# Allegro board RK_EVB1_RK3576_LP4XD200P132SD6_V12_20240530YWQ.brd (continued)
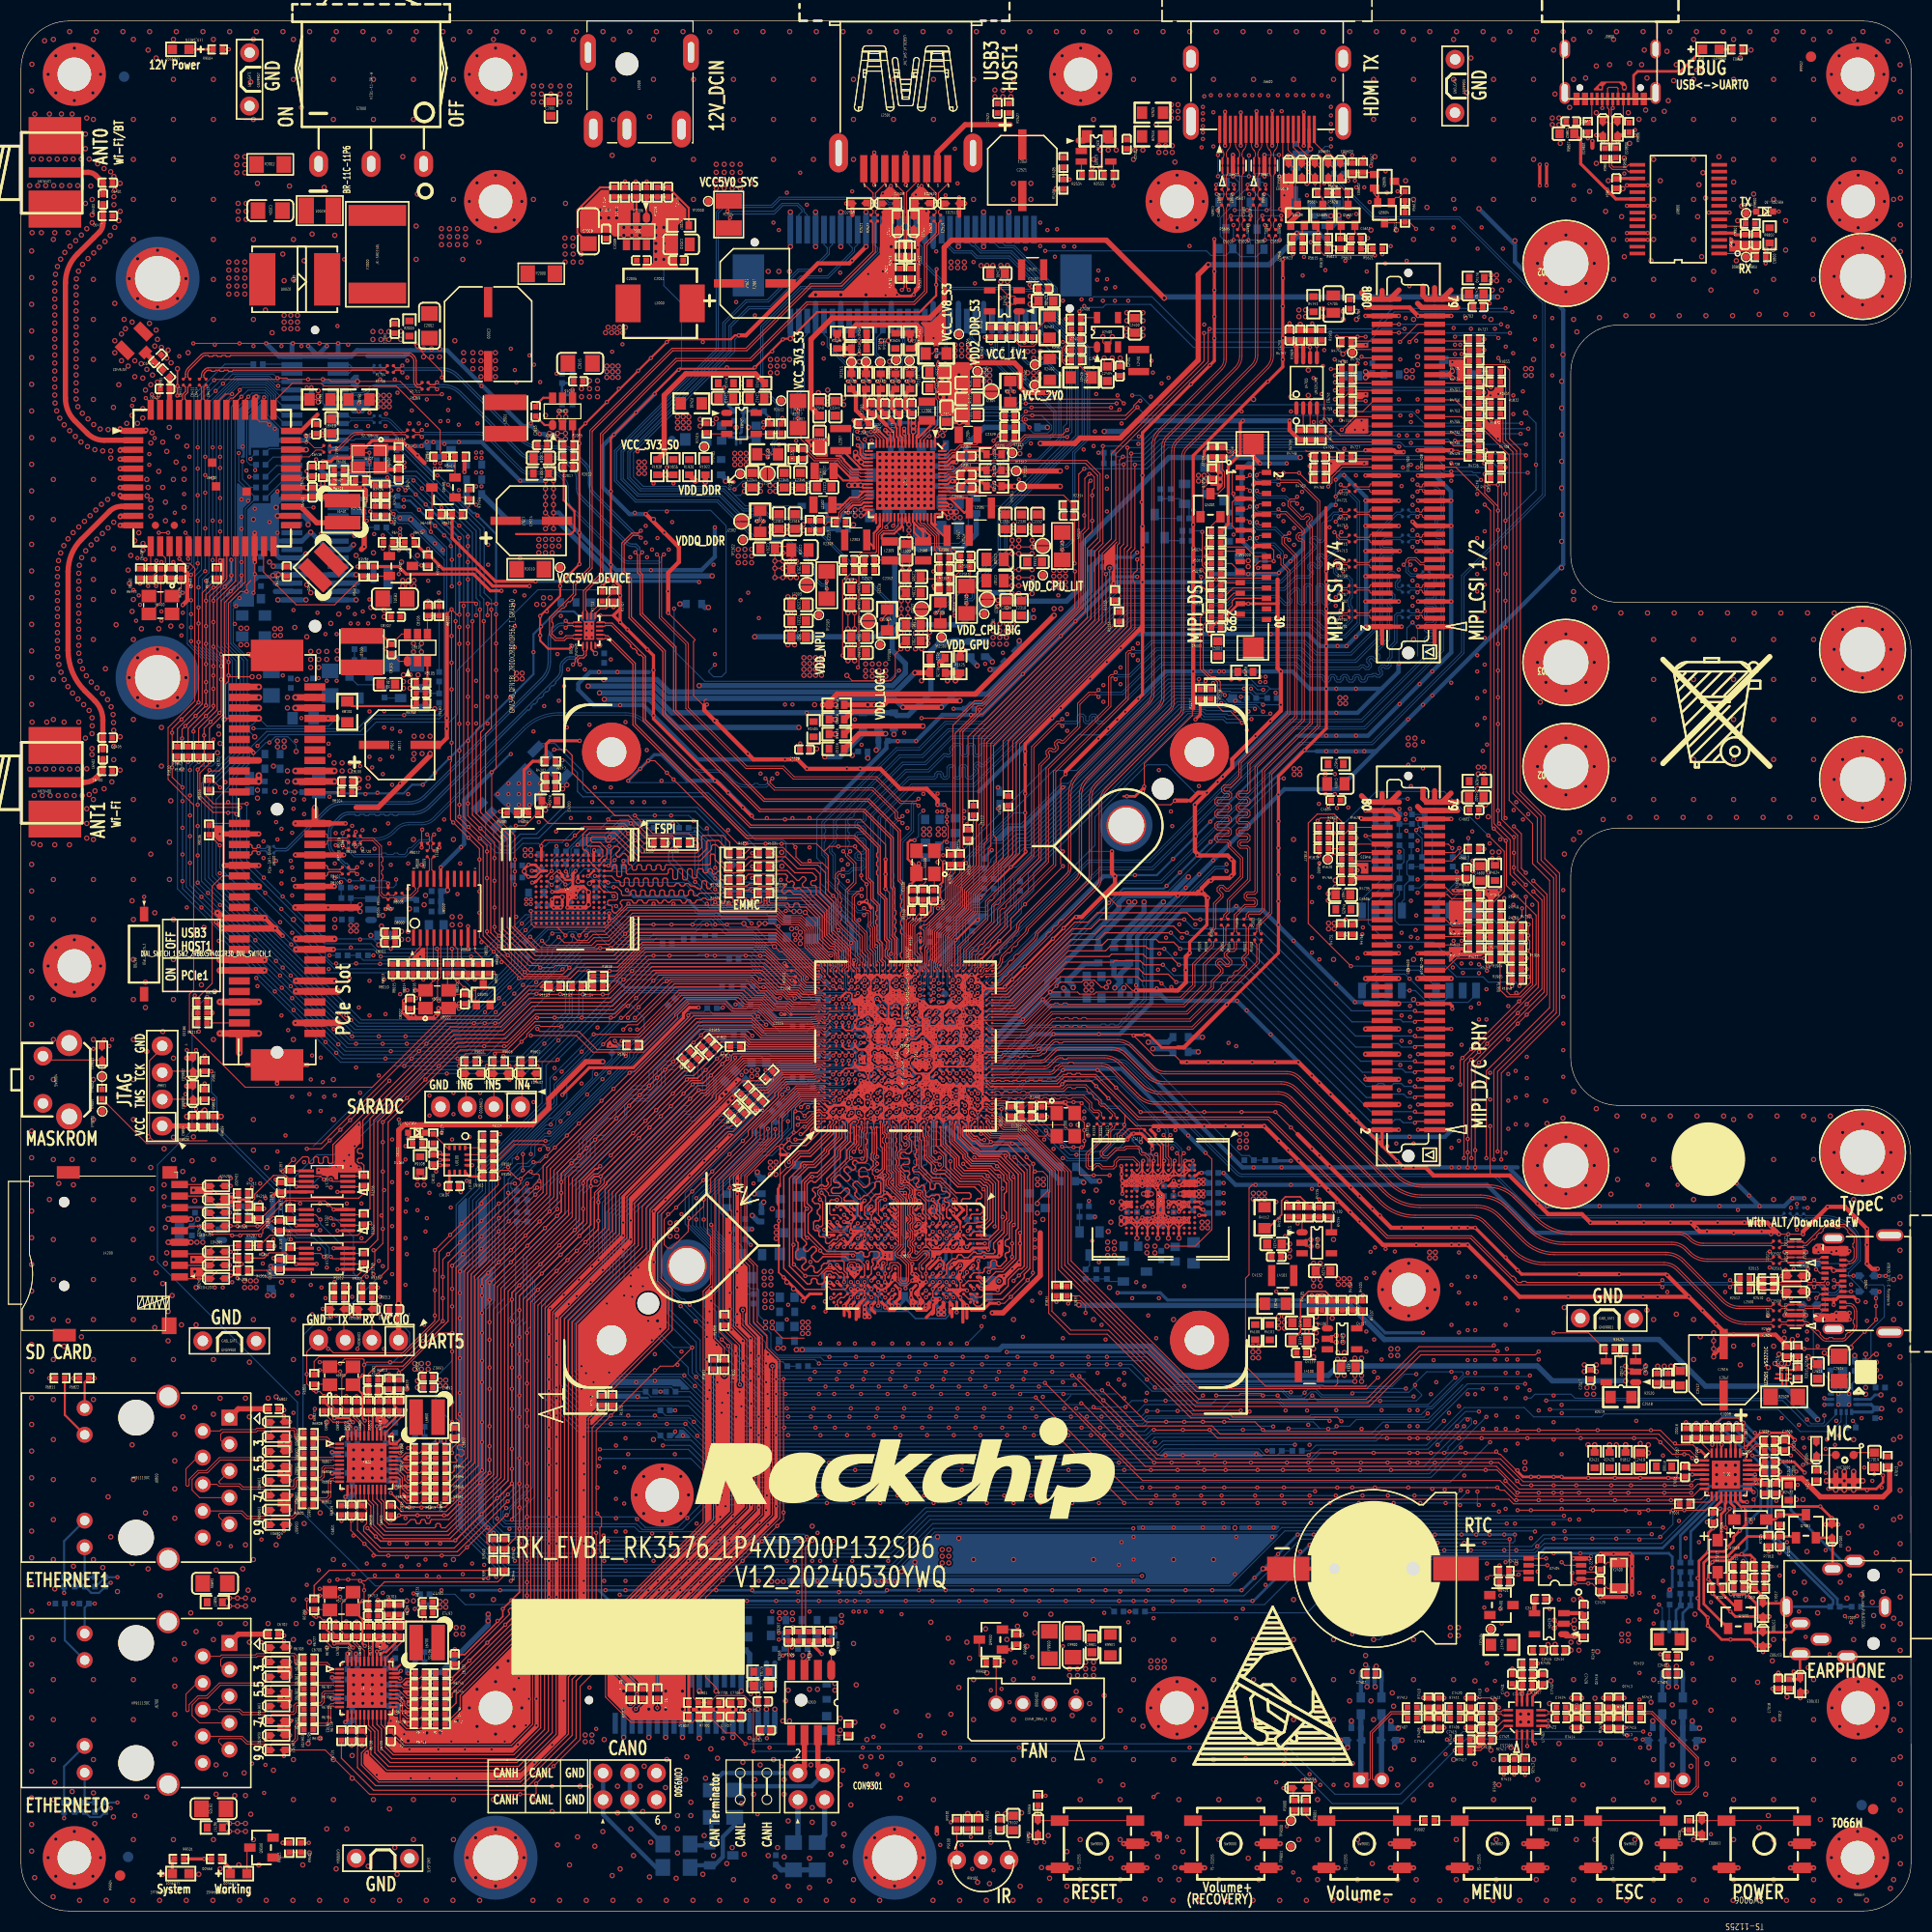
[diagram p0: board, top side]
## Routing (per net, layer and track width the routed paths; a pad name or vN(x,y) marks a point on that pad's centre or on a via; arc(x,y) is an arc through that point) (continued)
  BOTTOM w0.089: v1(80.06,96.66) 79.85,96.88 78.84,96.88 77.33,98.39 77.33,100.52 77,100.85 77,101.48 77.38,101.86 77.38,103.84 83.64,110.1 85.8,110.1 88.29,112.59 92.06,112.59 104.71,125.24 114.1,125.24 114.86,126 120.26,126 121.42,127.17 122.63,127.17 122.88,127.41 122.88,127.54 122.55,127.86 122.55,128.17 122.81,128.43 123.12,128.43 123.44,128.11 123.57,128.11 123.7,128.23 123.7,128.36 123.37,128.68 123.37,128.99 123.63,129.25 123.94,129.25 124.26,128.93 124.39,128.93 125.3,129.84 125.3,131.1 v1(125.09,131.31)
MIPI_DPHY_CSI3_RX_D2P/MIPI_DPHY_CSI4_RX_D0P: length 82.2
  TOP w0.089: U1000.K28 80.94,89.6 80.67,89.87 80.67,91.14 80.36,91.46 80.36,93.07 79.15,94.28 79.15,96.63 79.63,97.1 79.85,97.1 v1(80.06,97.32) ; v1(125.75,131.31) 125.53,131.1 125.53,130.97 125.67,130.83 126.3,130.83 R4715.2
  BOTTOM w0.089: v1(80.06,97.32) 79.85,97.1 78.93,97.1 77.55,98.48 77.55,100.61 77.23,100.94 77.23,101.39 77.61,101.77 77.61,102.09 77.74,102.22 77.74,102.5 77.61,102.64 77.61,102.92 77.74,103.05 77.74,103.33 77.61,103.47 77.61,103.74 83.74,109.87 85.89,109.87 88.39,112.37 92.15,112.37 104.8,125.02 114.19,125.02 114.95,125.78 120.35,125.78 121.51,126.94 122.72,126.94 123.1,127.32 123.1,127.63 122.78,127.95 122.78,128.08 122.9,128.21 123.03,128.21 123.35,127.88 123.66,127.88 123.92,128.14 123.92,128.45 123.6,128.77 123.6,128.9 123.72,129.02 123.85,129.02 124.17,128.7 124.48,128.7 125.53,129.75 125.53,131.1 v1(125.75,131.31)
MIPI_DPHY_CSI3_RX_D3N/MIPI_DPHY_CSI4_RX_D1N: length 81.4
  TOP w0.089: v1(125.68,132.79) 125.9,133 126.3,133 R4717.2 ; v1(80.29,95.51) 80.51,95.29 80.73,95.29 80.92,95.1 80.92,93.81 81.12,93.61 81.12,92.82 81.12,92.82 81.12,91.71 81.38,91.45 81.38,90.32 81.43,90.27 81.43,90.13 U1000.L29
  BOTTOM w0.089: v1(125.68,132.79) 125.46,133 125.1,133 124.9,132.81 124.9,132.62 124.7,132.42 124.51,132.42 124.12,132.02 124.12,130.56 123.88,130.33 123.57,130.33 123.22,130.68 123.09,130.68 122.97,130.56 122.97,130.43 123.32,130.07 123.32,129.76 120.03,126.47 114.5,126.47 113.74,125.71 104.52,125.71 91.87,113.06 88.1,113.06 85.6,110.57 83.45,110.57 76.49,103.61 76.49,103.15 76.63,103.02 76.63,102.74 76.49,102.61 76.49,102.33 76.63,102.19 76.63,101.91 76.49,101.78 76.49,100.66 76.86,100.29 76.86,98.19 79.18,95.88 79.37,95.88 79.56,95.68 79.56,95.49 79.76,95.29 80.07,95.29 v1(80.29,95.51)
MIPI_DPHY_CSI3_RX_D3P/MIPI_DPHY_CSI4_RX_D1P: length 81.9
  TOP w0.089: v1(125.68,133.44) 125.9,133.23 126.3,133.23 R4719.2 ; v1(80.29,94.85) 80.51,95.07 80.64,95.07 80.7,95 80.7,93.72 80.9,93.52 80.9,92.86 80.9,92.86 80.9,91.62 81.16,91.36 81.16,90.23 81.21,90.18 81.21,89.97 81.49,89.69 U1000.L28
  BOTTOM w0.089: v1(125.68,133.44) 125.46,133.23 125.01,133.23 123.9,132.12 123.9,130.65 123.79,130.55 123.67,130.55 123.31,130.9 123,130.9 122.74,130.65 122.74,130.34 123.1,129.98 123.1,129.86 119.94,126.7 114.41,126.7 113.65,125.93 104.42,125.93 91.77,113.29 88.01,113.29 85.51,110.79 83.36,110.79 76.27,103.71 76.27,100.56 76.64,100.2 76.64,98.1 79.67,95.07 80.07,95.07 v1(80.29,94.85)
MIPI_DPHY_CSI4_CAM_CLKOUT: length 65.2
  TOP w0.102: R1905.2 v1(143.41,90.73) ; R4760.1 v1(122.78,136.91)
  L4-SIG w0.102: v1(139.05,136.29) 139.04,136.28 139.04,111.17 139.94,110.27 139.94,105.02 141.77,103.18 141.77,95.51 142.7,94.58 142.7,91.44 v1(143.41,90.73)
  BOTTOM w0.102: v1(122.78,136.91) 122.98,137.11 135.17,137.11 135.52,136.75 138.58,136.75 v1(139.05,136.29)
MIPI_DPHY_CSI4_CAM_CLKOUT_CON: length 3.7
  TOP w0.102: R4727.2 C4709.1 R4762.1 R4760.2
MIPI_DPHY_CSI4_PDN_H: length 103.2
  TOP w0.102: R4733.2 v1(125.14,142.79)
  L4-SIG w0.102: v1(125.14,142.79) 125.14,137.36 123.87,136.09 123.87,132.1 123.55,131.79 123.55,127.03 123.81,126.77 123.81,106.15 122.54,104.88 122.54,68.52 122.81,68.26 122.81,67.2 118.66,63.04 118.66,43.85 v1(118.65,43.85)
  BOTTOM w0.102: v1(118.65,43.85) 118.68,43.82 R1945.2
MIPI_DPHY_CSI4_PWM: length 125.1
  TOP w0.102: R1835.2 100.81,58.59 111.72,47.67 v1(116.17,47.67) ; R4764.1 v1(124.75,146.86)
  L4-SIG w0.102: v1(116.17,47.67) 116.17,57.27 118.02,59.13 118.02,63.24 122.06,67.27 122.06,104.97 123.41,106.32 123.41,126.61 123.15,126.87 123.15,137.02 124.4,138.28 124.4,146.5 v1(124.75,146.86)
MIPI_DPHY_CSI4_RX_CLKN: length 86.2
  TOP w0.089: v1(125.68,135.19) 125.9,135.4 126.3,135.4 R4721.2 ; U1000.1K23 v1(82.14,88.07)
  BOTTOM w0.089: v1(125.68,135.19) 125.9,135.4 126.01,135.4 127.26,134.16 127.26,122.69 126.05,121.48 123.89,121.48 122.91,122.47 105.86,122.47 90.72,107.32 84.79,107.32 81.63,104.16 81.63,93.87 81.5,93.74 81.5,93.46 81.63,93.32 81.63,93.04 81.5,92.91 81.5,92.63 81.63,92.49 81.63,92.28 82.11,91.8 82.11,90.85 81.98,90.72 81.98,90.44 82.11,90.3 82.11,90.02 81.98,89.89 81.98,89.61 82.11,89.47 82.11,89.19 82.39,88.92 82.39,88.32 v1(82.14,88.07)
MIPI_DPHY_CSI4_RX_CLKP: length 86.8
  TOP w0.089: v1(125.68,135.84) 125.9,135.63 126.3,135.63 R4723.2 ; U1000.1K22 v1(82.14,87.47)
  BOTTOM w0.089: v1(125.68,135.84) 125.9,135.63 126.11,135.63 127.48,134.25 127.48,122.59 126.15,121.26 123.8,121.26 122.81,122.24 105.95,122.24 90.81,107.1 84.89,107.1 81.86,104.07 81.86,92.37 82.34,91.89 82.34,89.29 82.62,89.01 82.62,88.23 82.48,88.09 82.48,87.81 v1(82.14,87.47)
MIPI_DPHY_DSI_TX_CLKN: length 31.6
  TOP w0.089: U1000.AK17 92.22,83.19 96,83.19 98.24,85.43 111.09,85.43 113.58,87.92 113.58,88.46 114.47,89.35 114.47,89.71 114,90.19 114,90.31 114.12,90.44 114.25,90.44 114.74,89.94 115.06,89.94 115.31,90.2 115.31,90.51 114.81,91.01 114.81,91.13 115.07,91.38 115.54,91.38 115.76,91.6 115.76,92.07 115.76,92.3 R5004.2
MIPI_DPHY_DSI_TX_CLKP: length 30.6
  TOP w0.089: R5005.1 115.54,92.3 115.54,92.07 115.54,91.7 115.45,91.61 114.97,91.61 114.59,91.22 114.59,90.91 115.09,90.42 115.09,90.29 114.96,90.16 114.84,90.16 114.34,90.66 114.03,90.66 113.77,90.41 113.77,90.09 114.24,89.62 114.24,89.44 113.36,88.56 113.36,88.01 111,85.65 98.14,85.65 95.91,83.42 92.54,83.42 U1000.AL17
MIPI_DPHY_DSI_TX_D0N: length 31.8
  TOP w0.089: R5000.2 118.13,92.28 117.92,92.07 117.92,91.94 117.92,90.3 111.61,83.99 98.31,83.99 96.46,82.14 92.65,82.14 92.6,82.09 92.22,82.09 U1000.AK15
MIPI_DPHY_DSI_TX_D0P: length 31.2
  TOP w0.089: U1000.AL15 96.37,82.37 98.21,84.21 98.49,84.21 98.63,84.34 98.91,84.34 99.04,84.21 99.32,84.21 99.46,84.34 99.74,84.34 99.87,84.21 100.15,84.21 100.28,84.34 100.56,84.34 100.7,84.21 100.98,84.21 101.11,84.34 101.39,84.34 101.53,84.21 111.52,84.21 117.7,90.39 117.7,91.94 117.7,92.07 117.49,92.28 R5001.1
MIPI_DPHY_DSI_TX_D1N: length 32.1
  TOP w0.089: R5002.1 116.9,93.69 116.9,93.34 116.9,91.13 116.5,90.72 116.5,90.6 116.71,90.38 116.71,90.07 111.38,84.73 98.29,84.73 96.2,82.64 92.22,82.64 U1000.AK16
MIPI_DPHY_DSI_TX_D1P: length 31.9
  TOP w0.089: U1000.AL16 92.54,82.87 96.11,82.87 98.2,84.96 98.48,84.96 98.61,85.09 98.89,85.09 99.03,84.96 99.31,84.96 99.44,85.09 99.72,85.09 99.86,84.96 100.14,84.96 100.27,85.09 100.55,85.09 100.68,84.96 100.96,84.96 101.1,85.09 101.38,85.09 101.51,84.96 111.28,84.96 114.31,87.98 114.31,88.17 114.51,88.37 114.7,88.37 114.89,88.57 114.89,88.76 115.09,88.95 115.28,88.95 115.48,89.15 115.48,89.34 115.68,89.54 115.87,89.54 116.49,90.16 116.49,90.29 116.27,90.5 116.27,90.81 116.68,91.22 116.68,93.34 116.68,93.69 R5003.2
MIPI_DPHY_DSI_TX_D2N: length 29.5
  TOP w0.089: R5006.1 114.75,93.69 114.75,93.34 114.75,92.04 112.82,90.11 112.82,88.13 110.8,86.12 98.16,86.12 95.78,83.74 92.22,83.74 U1000.AK18
MIPI_DPHY_DSI_TX_D2P: length 28.7
  TOP w0.089: U1000.AL18 92.54,83.97 95.68,83.97 98.06,86.34 98.34,86.34 98.48,86.48 98.76,86.48 98.89,86.34 99.17,86.34 99.3,86.48 99.58,86.48 99.72,86.34 110.71,86.34 112.59,88.23 112.59,90.21 114.52,92.14 114.52,93.34 114.52,93.69 R5007.2
MIPI_DPHY_DSI_TX_D3N: length 26.8
  TOP w0.089: U1000.AK19 92.22,84.29 95.58,84.29 98.1,86.81 110.52,86.81 111.8,88.1 111.8,90.11 113.6,91.92 113.6,92.3 R5008.2
MIPI_DPHY_DSI_TX_D3P: length 25.8
  TOP w0.089: U1000.AL19 92.54,84.52 95.49,84.52 98.01,87.04 110.42,87.04 111.58,88.19 111.58,90.21 113.38,92.01 113.38,92.3 R5009.1
MIPI_DPHY_FSYNC: length 65.3
  TOP w0.102: R4753.1 v1(139.35,144.61) ; R4759.1 v1(125.14,144.83) ; v1(139.35,96.36) 138.83,95.84 R4614.1
  L4-SIG w0.102: v1(139.35,96.36) 139.01,96.7 139.01,103.36 138.32,104.04 138.32,136.83 138.93,137.44 138.93,144.19 v1(139.35,144.61)
  BOTTOM w0.102: v1(139.35,144.61) 139.13,144.83 v1(125.14,144.83)
MIPI_DPHY_HSYNC: length 65.3
  TOP w0.102: v1(125.14,145.59) 125.39,145.84 R4763.1 ; v1(138.65,97.35) 138.65,97.01 R4616.1 ; v1(139.33,145.27) 138.98,145.63 R4756.1
  L4-SIG w0.102: v1(139.33,145.27) 138.57,144.5 138.57,137.71 137.96,137.1 137.96,103.96 138.72,103.2 138.72,97.42 v1(138.65,97.35)
  BOTTOM w0.102: v1(125.14,145.59) 125.62,145.11 139.17,145.11 v1(139.33,145.27)
MIPI_TE: length 2.8
  TOP w0.102: R5011.2 R5024.2 113.36,131.92 Q5001.2
MIPI_TE_M1_GPIO3_A2: length 77.9
  TOP w0.102: v1(115.66,139.01) 115.13,138.48 R5021.2 114.4,137.3 114.62,137.08 114.62,135.6 114,134.99 Q5001.3 ; v1(143.34,92.19) 142.9,91.75 R1904.2
  L4-SIG w0.102: v1(139.75,135.33) 139.75,111.46 140.34,110.87 140.34,105.64 142.58,103.4 142.58,95.27 143.17,94.69 143.17,92.36 v1(143.34,92.19)
  BOTTOM w0.102: v1(115.66,139.01) 124.25,139.01 125.01,138.25 134.91,138.25 135.67,137.49 139.35,137.49 139.75,137.09 v1(139.75,135.33)
NPOR: length 12.3
  TOP w0.089: 85.81,90.46 85.8,90.45 85.8,89.61 U1000.W28
  TOP w0.102: R1106.1 89.43,98.88 88.45,97.91 88.45,96.15 86.23,93.92 85.92,93.92 R1107.1 86.01,93.32 86.01,92.06 C1119.1 85.66,91.36 85.81,91.21 85.81,90.46
OSC_1V8: length 40.2
  TOP w0.229: v1(85.21,85) 85.22,85 85.22,84.97 U1000.2J10
  TOP w0.508: R1124.2 87.53,118.84 v2(87.53,118.67)
  L4-SIG w0.178: v1(85.21,85) 85.21,85.01 85.54,85.34 85.59,85.34 86.29,86.04 86.29,89.64 86.27,89.65
  L4-SIG w0.508: v2(87.53,118.67) 87.53,115.38 87.04,114.89 87.04,108.75 90.64,105.15 90.64,98.68 88.92,96.95 88.92,94.8 86.27,92.16 86.27,89.65
  BOTTOM w0.305: C1102.1 85.5,85.01 85.24,85.01 85.23,85 v1(85.21,85)
  BOTTOM w0.508: v2(87.53,118.67) 87.53,119.4 R1119.2
OSC_UFS_AVDD: length 25.2
  TOP w0.229: U1000.2M2 v1(87.82,79.12)
  L4-SIG w0.203: v1(87.82,79.12) 87.82,78.71 88.02,78.51 92.19,78.51
  L4-SIG w0.508: 92.19,78.51 96.81,78.51 97.15,78.18 99.38,78.18 103.32,82.12 v2(107.79,82.12)
  BOTTOM w0.305: v1(87.82,79.12) 87.58,79.36 C1307.1
  BOTTOM w0.508: R1324.1 109.42,82.12 v2(107.79,82.12)
OSC_UFS_XIN: length 10
  TOP w0.102: U1000.AK5 92.06,76.87 92.34,76.59 92.69,76.59 92.82,76.72 93.52,76.72 93.74,76.5 93.74,76.21 R1302.2 94.3,75.65 C1304.1 95.42,75.65 96.19,74.87 99.27,74.87 Y1300.3
OSC_UFS_XOUT: length 3
  TOP w0.102: R1300.1 R1302.1 93.93,76.92 92.55,76.92 U1000.AL5
OTP_VDD0V75: length 38.7
  TOP w0.229: v1(85.23,85.63) 85.23,85.62 85.22,85.62 U1000.2H11
  TOP w0.508: v2(85.89,112.85) 79.17,112.85 R1148.1
  L4-SIG w0.102: 86.67,93.52 86.67,93.14 85.64,92.1 85.64,91.77 ; 85.19,92.84 85.64,93.29 85.8,93.29 ; 85.99,86.39 85.99,88.87 85.64,89.23
  L4-SIG w0.178: 85.64,89.61 85.64,89.23 ; 85.2,85.65 85.21,85.65 85.23,85.63 v1(85.23,85.63) 85.23,85.63 85.99,86.39
  L4-SIG w0.508: v2(85.89,112.85) 85.89,108.66 88.96,105.59 88.96,97.86 88.31,97.21 88.31,95.16 86.67,93.52 86.04,93.52 85.8,93.29
  BOTTOM w0.229: v1(85.23,85.63) 85.24,85.63 85.26,85.65 85.59,85.65 C1117.1
PCIE0_CLKREQN_1V8: length 24.9
  TOP w0.102: Q6400.2 R6414.2 R6418.2 39.92,138.9 39.92,141.04 35.73,145.23 28.87,145.23 28.62,145.49 25.82,145.49 24.05,143.72 U6400.37
PCIE0_CLKREQN_M0: length 126.9
  TOP w0.089: 75.87,84.31 75.87,84.3 76.65,84.3 77.04,84.69 U1000.1A17
  TOP w0.102: v1(39.03,131.35) R6408.2 39.13,133.15 Q6400.3 ; v1(48.55,83.38) 52.88,83.38 54.46,81.79 59.28,81.79 62.52,85.03 62.52,85.35 63.58,86.41 67,86.41 67.7,85.7 70.18,85.7 71.62,84.26 75.51,84.26 75.56,84.31 75.87,84.31
  L4-SIG w0.102: v1(48.55,83.38) v1(43.22,88.71)
  BOTTOM w0.102: v1(43.22,88.71) 42.2,89.73 29.85,89.73 20.16,99.43 20.16,108.07 21.76,109.67 21.76,110.71 23.39,112.34 32.3,112.34 33.5,113.54 39.85,113.54 40.55,114.24 40.55,129.82 v1(39.03,131.35) 37.21,133.17 35.98,133.17 35.73,133.42 35.17,133.42 R6515.1
PCIE0_PERSTN: length 127.5
  TOP w0.102: U1000.A19 75.93,84.51 75.48,84.51 75.43,84.46 74.89,84.46 74.89,84.46 71.7,84.46 70.21,85.96 67.82,85.96 67.17,86.61 63.5,86.61 62.27,85.38 62.27,85.23 59.07,82.03 54.86,82.03 53.13,83.76 49.42,83.76 v1(49.18,84) ; R6410.1 v1(11.34,126.42)
  L4-SIG w0.102: v1(11.34,126.42) 11.61,126.69 15.19,126.69 18.67,123.2 18.67,116.1 v1(22.14,112.64) ; v1(36.49,113.9) 36.49,96.69 v1(49.18,84)
  BOTTOM w0.102: R6517.1 34.91,132.66 35.41,132.66 35.92,132.15 36.87,132.15 40.3,128.72 40.3,114.5 39.7,113.9 v1(36.49,113.9) 33.35,113.9 32.04,112.59 22.18,112.59 v1(22.14,112.64)
PCIE0_PERSTN_1V8: length 3.2
  TOP w0.102: U6400.12 12.35,127.84 R6413.1 R6410.2
PCIE0_SOC_REFCLKN: length 92.1
  TOP w0.089: U1000.1N23 83.99,88.62 v1(83.98,88.62) ; R1714.1 37.57,140.61 37.96,140.61 v1(38.18,140.39) ; v1(61.22,129.19) 61.01,128.98 61.01,123.26 63.54,120.72 63.54,114.63 69.13,109.04 72.62,109.04 73.64,108.02 81.51,108.02 83.83,105.7 85.26,105.7 v1(85.48,105.92)
  BOTTOM w0.089: v1(83.98,88.62) 83.98,88.67 84.4,89.08 84.4,92.62 83.76,93.26 83.76,101.89 84.78,102.91 84.78,105.49 85,105.7 85.26,105.7 v1(85.48,105.92) ; R1714.1 37.57,140.61 37.96,140.61 v1(38.18,140.39) 38.39,140.61 43.59,140.61 arc(44.06,140.51) 44.46,140.25 47.54,137.16 arc(47.89,136.93) 48.3,136.85 50.72,136.85 arc(51.01,136.79) 51.25,136.63 51.64,136.25 arc(51.82,135.97) 51.89,135.64 51.89,134.56 arc(52,134.01) 52.31,133.54 57.29,128.56 arc(57.53,128.4) 57.82,128.34 60.79,128.34 61.01,128.56 61.01,128.98 v1(61.22,129.19)
PCIE0_SOC_REFCLKP: length 92.8
  TOP w0.089: R1716.1 37.57,140.83 37.96,140.83 v1(38.18,141.05) ; v1(85.48,105.26) 85.26,105.48 83.73,105.48 81.42,107.8 73.54,107.8 72.53,108.81 69.04,108.81 63.32,114.53 63.32,120.63 60.78,123.16 60.78,128.98 v1(60.57,129.19) ; U1000.1N22 v1(83.94,88.07)
  BOTTOM w0.089: v1(83.94,88.07) 84.37,88.49 84.37,88.72 84.62,88.97 84.62,92.72 83.99,93.35 83.99,93.63 84.12,93.77 84.12,94.04 83.99,94.18 83.99,94.92 84.12,95.05 84.12,95.33 83.99,95.47 83.99,95.75 84.12,95.88 84.12,96.16 83.99,96.3 83.99,101.8 85,102.81 85,105.39 85.09,105.48 85.26,105.48 v1(85.48,105.26) ; v1(60.57,129.19) 60.78,128.98 60.78,128.65 60.69,128.56 57.82,128.56 arc(57.62,128.61) 57.44,128.72 52.47,133.7 arc(52.2,134.1) 52.11,134.56 52.11,135.64 arc(52.03,136.05) 51.79,136.41 51.41,136.79 arc(51.09,137) 50.72,137.07 48.3,137.07 arc(47.98,137.14) 47.7,137.32 44.62,140.41 arc(44.15,140.72) 43.59,140.83 38.39,140.83 v1(38.18,141.05) 37.96,140.83 37.57,140.83 R1716.1
PCIE0_SOC_RXN: length 85.1
  TOP w0.117: v1(58.5,129.39) 58.71,129.18 58.71,127.45 58.97,127.2 58.97,123.48 62.15,120.3 62.15,114.28 70.74,105.68 80.66,105.68 83.53,102.81 83.53,98.13 83.88,97.78 83.88,96.84 83.78,96.73 83.78,96.43 83.88,96.32 83.88,96.02 83.78,95.91 83.78,95.61 83.88,95.5 83.88,95.19 83.78,95.09 83.78,94.78 83.88,94.68 83.88,94.37 83.78,94.26 83.78,93.96 83.88,93.85 83.88,93.55 83.78,93.44 83.78,93.14 83.88,93.03 83.88,91.33 83.75,91.2 83.75,90.89 83.88,90.76 83.88,90.45 83.74,90.31 83.74,90.12 U1000.R29 ; v1(39.62,144.93) 39.4,145.14 38.96,145.14 R1709.1
  BOTTOM w0.117: v1(58.5,129.39) 58.71,129.61 58.71,129.74 58.49,129.96 58.21,129.96 arc(57.88,130.03) 57.61,130.21 53.32,134.5 arc(53.01,134.96) 52.9,135.5 52.9,136.44 arc(52.82,136.85) 52.59,137.2 51.98,137.8 arc(51.46,138.15) 50.84,138.28 48.68,138.28 arc(48.03,138.41) 47.47,138.78 41.74,144.51 arc(41.04,144.98) 40.22,145.14 39.84,145.14 v1(39.62,144.93) 39.4,145.14 38.96,145.14 R1709.1
PCIE0_SOC_RXP: length 85.6
  TOP w0.102: U1000.R28 83.97,89.79 83.97,90.22
  TOP w0.117: v1(39.62,145.58) 39.4,145.37 38.96,145.37 R1711.1 ; 83.97,90.22 84.11,90.36 84.11,97.87 83.75,98.22 83.75,102.91 80.75,105.91 70.83,105.91 62.37,114.37 62.37,120.39 59.19,123.57 59.19,127.29 58.94,127.54 58.94,129.18 v1(59.16,129.39)
  BOTTOM w0.117: v1(59.16,129.39) 58.94,129.61 58.94,129.83 58.58,130.19 58.21,130.19 arc(57.97,130.23) 57.76,130.37 53.48,134.66 arc(53.22,135.05) 53.13,135.5 53.13,136.44 arc(53.03,136.94) 52.75,137.36 52.14,137.96 arc(51.54,138.36) 50.84,138.5 48.68,138.5 arc(48.11,138.61) 47.63,138.94 41.9,144.67 arc(41.13,145.19) 40.22,145.37 39.84,145.37 v1(39.62,145.58) 39.4,145.37 38.96,145.37 R1710.1
PCIE0_SOC_TXN: length 91.9
  TOP w0.102: U1000.P28 83.42,89.79 83.42,90.24
  TOP w0.117: R1706.1 35.66,146.74 36.1,146.74 v1(36.32,146.53) ; 83.42,90.24 83.42,92.68 83.23,92.87 83.23,93.17 83.33,93.28 83.33,93.59 83.23,93.69 83.23,94 83.33,94.1 83.33,94.41 83.23,94.52 83.23,94.82 83.33,94.93 83.33,95.23 83.23,95.34 83.23,97.42 83.07,97.57 83.07,102.2 80.34,104.93 70.43,104.93 61.36,114.01 61.36,120.03 58.13,123.25 58.13,126.92 57.44,127.61 57.44,130.18 58.27,131.01 58.81,131.01 v1(59.03,130.79)
  BOTTOM w0.117: v1(59.03,130.79) 58.81,131.01 58.4,131.01 54.49,134.91 arc(54.16,135.41) 54.05,135.99 54.05,136.85 arc(53.96,137.29) 53.71,137.67 53.7,137.68 52.3,139.07 arc(52.06,139.24) 51.77,139.29 49.44,139.29 arc(48.42,139.5) 47.55,140.08 41.48,146.15 arc(40.82,146.59) 40.06,146.74 36.54,146.74 v1(36.32,146.53) 36.1,146.74 35.66,146.74 R1706.1
PCIE0_SOC_TXP: length 91.4
  TOP w0.117: U1000.P29 83.19,90.12 83.19,92.59 83,92.78 83,97.32 82.85,97.48 82.85,102.11 80.25,104.71 70.34,104.71 61.13,113.91 61.13,119.94 57.91,123.16 57.91,126.83 57.22,127.51 57.22,130.28 58.18,131.23 58.81,131.23 v1(59.03,131.45) ; v1(36.32,147.18) 36.1,146.97 35.66,146.97 R1704.1
  BOTTOM w0.117: v1(59.03,131.45) 58.81,131.23 58.49,131.23 54.65,135.07 arc(54.37,135.49) 54.27,135.99 54.27,136.85 arc(54.16,137.38) 53.87,137.82 53.86,137.83 52.46,139.23 arc(52.14,139.44) 51.77,139.52 49.44,139.52 arc(48.51,139.7) 47.71,140.23 41.63,146.31 arc(40.91,146.8) 40.06,146.97 36.54,146.97 v1(36.32,147.18) 36.1,146.97 35.66,146.97 R1704.1
PCIE0_WAKEN_1V8: length 16.9
  TOP w0.102: Q6401.2 35.07,127.14 R6415.2 R6419.2 29.87,124.4 26.21,124.4 23.1,127.51 23.1,129.92 U6400.24
PCIE0_WAKEN_M0: length 180.3
  TOP w0.102: Q6401.3 37.32,128.15 v1(38.14,128.15) R6409.2 ; U1000.1Y22 v1(88.74,88.07)
  L4-SIG w0.102: v1(115.65,114.3) 115.55,114.3 114.21,115.64 114.21,117.29 113.76,117.74 113.76,122.41 110.32,125.85 110.32,133.28 108.88,134.72 108.88,144.28 103.44,149.71 103.44,153.72 97.42,159.74 71.72,159.74 71.41,160.04 69.39,160.04 57.51,148.15 50.39,148.15 46.33,144.09 42.46,144.09 41.06,142.69 41.06,131.07 v1(38.14,128.15)
  BOTTOM w0.102: v1(115.65,114.3) 115.63,114.32 112.87,114.32 112.74,114.45 110.69,114.45 94.57,98.33 94.57,95.63 90.73,91.79 90.56,91.79 88.39,89.61 88.39,88.42 v1(88.74,88.07) ; v1(38.14,128.15) 34.79,131.5 R6516.1
PCIE1_CLKREQN_M0: length 87.7
  TOP w0.102: R8106.1 v1(18.93,101.49) ; Q8000.1 43.29,86.39 43.29,87.7 v1(43.19,87.8) ; U1000.1B16 v1(77.64,84.6)
  L4-SIG w0.102: v1(49.41,72.52) 49.32,72.62 49.32,78.18 48.55,78.94 48.55,82.76 43.51,87.8 v1(43.19,87.8)
  BOTTOM w0.102: v1(43.19,87.8) 43.03,87.8 41.48,89.36 28.93,89.36 18.93,99.35 v1(18.93,101.49) ; v1(49.41,72.52) 49.41,72.53 49.85,72.97 50.24,72.97 58.59,81.32 58.59,81.48 63.54,86.43 67.17,86.43 67.93,85.67 69.59,85.67 69.87,85.95 71.25,85.95 72.28,84.92 77.02,84.92 77.34,84.6 v1(77.64,84.6)
PCIE1_PERSTN: length 212.9
  TOP w0.102: v1(32.23,106.94) 31.88,106.59 R8104.2
  L4-SIG w0.102: v1(139.92,44.65) 139.92,72.25 141.01,73.35 141.01,92.91 v1(141.39,93.29) ; v1(32.23,106.94) 32.11,106.94 29.44,104.27 29.44,96.78 30.6,95.62 30.6,74.78 38.89,66.49 39.53,66.49 61.13,44.89 v1(61.13,44.34)
  BOTTOM w0.102: SW1801.8 139.37,95.28 141.37,93.29 v1(141.39,93.29) ; v1(61.13,44.34) 63.72,44.34 67.22,40.84 136.11,40.84 v1(139.92,44.65)
PCIE1_PRSNT_L: length 234.9
  TOP w0.102: R8108.1 v1(17.72,87.07) ; R1950.2 v1(143.41,89.71)
  L4-SIG w0.102: v1(143.41,89.71) 144.06,89.07 144.06,73.86 143.21,73.01 143.21,67.08 144.19,66.11 v1(144.19,36.14)
  BOTTOM w0.102: v1(17.72,87.07) 16.3,85.64 16.3,74.37 12.99,71.06 12.99,61.79 26.33,48.46 26.33,38.39 33.76,30.96 115.13,30.96 120.37,36.2 144.13,36.2 v1(144.19,36.14)
PCIE1_PWREN_H: length 40.2
  TOP w0.102: R8102.1 v1(39.82,124.79)
  L4-SIG w0.102: v1(30.49,97.99) 30.49,99.22 31.54,100.27 32.81,100.27 33.19,100.66 33.19,104.47 34.97,106.24 34.97,119.71 39.82,124.56 v1(39.82,124.79)
  BOTTOM w0.102: v1(39.82,124.79) 39.83,124.78 R8117.1 ; R8035.1 30.49,96.49 R1939.2 30.49,97.99 v1(30.49,97.99)
PCIE1_REFCLKN: length 80.8
  TOP w0.089: v1(83.95,104.27) 83.73,104.05 83.61,104.05 83.48,104.18 83.48,104.65 81.16,106.97 71.84,106.97 71.34,107.48 71.34,107.64 v1(71.56,107.86) ; U1000.1M23 v1(83.34,88.07) ; R1720.1 31.75,101.5 v1(31.88,101.37)
  BOTTOM w0.089: v1(71.56,107.86) 71.34,107.64 71.34,107.38 71,107.04 68.97,107.04 arc(68.27,107.18) 67.67,107.58 67.13,108.12 arc(66.76,108.37) 66.32,108.45 64.84,108.45 arc(64.12,108.6) 63.51,109.01 59.36,113.15 arc(58.54,113.7) 57.57,113.89 51.22,113.89 arc(49.49,113.55) 48.02,112.57 39.41,103.96 arc(38.85,103.58) 38.19,103.45 36.97,103.45 arc(36.35,103.33) 35.82,102.97 35.52,102.67 arc(34.74,102.15) 33.81,101.97 33.17,101.97 32.09,101.97 31.97,101.97 31.88,101.88 v1(31.88,101.37) ; v1(83.34,88.07) 83.02,88.39 83.02,90.86 83.35,91.19 83.35,92.44 82.81,92.98 82.81,103.41 83.45,104.05 83.73,104.05 v1(83.95,104.27)
PCIE1_REFCLKP: length 80.9
  TOP w0.089: v1(31.88,102.78) 31.75,102.66 R1719.1 ; v1(70.9,107.86) 71.11,107.64 71.11,107.39 71.75,106.75 81.07,106.75 83.26,104.56 83.26,104.09 83.52,103.83 83.73,103.83 v1(83.95,103.61) ; U1000.1L23 v1(83.34,88.67)
  BOTTOM w0.089: v1(83.95,103.61) 83.73,103.83 83.54,103.83 83.03,103.32 83.03,98.87 83.17,98.74 83.17,98.46 83.03,98.32 83.03,98.04 83.17,97.91 83.17,97.63 83.03,97.49 83.03,97.22 83.17,97.08 83.17,96.8 83.03,96.67 83.03,96.39 83.17,96.25 83.17,95.97 83.03,95.84 83.03,95.56 83.17,95.42 83.17,95.15 83.03,95.01 83.03,94.73 83.17,94.6 83.17,94.32 83.03,94.18 83.03,93.9 83.17,93.77 83.17,93.49 83.03,93.35 83.03,93.08 83.58,92.53 83.58,91.1 83.24,90.76 83.24,90.45 83.38,90.32 83.38,90.04 83.24,89.91 83.24,89.63 83.38,89.49 83.38,89.21 83.24,89.08 83.24,88.77 v1(83.34,88.67) ; v1(31.88,102.78) 31.88,102.28 31.97,102.19 32.09,102.19 33.26,102.19 33.81,102.19 arc(34.65,102.36) 35.36,102.83 35.66,103.13 arc(36.26,103.53) 36.97,103.67 38.19,103.67 arc(38.76,103.79) 39.25,104.11 47.86,112.73 arc(49.4,113.76) 51.22,114.12 57.57,114.12 arc(58.63,113.91) 59.52,113.31 63.67,109.16 arc(64.21,108.8) 64.84,108.68 66.32,108.68 arc(66.84,108.57) 67.28,108.28 67.83,107.73 arc(68.35,107.38) 68.97,107.26 69.74,107.26 69.88,107.39 70.16,107.39 70.29,107.26 70.91,107.26 71.11,107.47 71.11,107.64 v1(70.9,107.86)
PCIE1_RXN: length 40.8
  TOP w0.117: R8109.2 31.37,98.97 31.8,98.97 v1(32.01,98.75) ; U1700.16 53.91,120.1 53.83,120.03 53.83,119.59 53.58,119.34 53.2,119.34 53.01,119.15 53.01,118.93 v1(53.23,118.71)
  BOTTOM w0.117: v1(32.01,98.75) 31.8,98.97 31.39,98.97 30.46,99.89 29.6,100.75 arc(29.36,101.11) 29.28,101.52 29.28,102.81 arc(29.36,103.19) 29.57,103.52 30.33,104.27 arc(30.76,104.56) 31.27,104.66 37.38,104.66 arc(38.14,104.82) 38.79,105.25 51.09,117.55 arc(51.28,117.84) 51.35,118.17 51.35,118.55 arc(51.4,118.8) 51.54,119.01 51.8,119.27 arc(52,119.4) 52.24,119.45 52.75,119.45 53,119.2 53,118.95 v1(53.23,118.71)
PCIE1_RXN/USB3_HOST1_SSRXN: length 49
  TOP w0.117: U1000.M29 82.09,90.12 82.09,90.27 81.79,90.58 81.79,92.13 81.53,92.39 81.53,93.91 81.41,94.03 81.41,94.33 81.53,94.45 81.53,94.75 81.41,94.87 81.41,95.17 81.53,95.29 81.53,95.75 80.94,96.34 80.94,97.86 80.51,98.29 80.51,101 79.33,102.18 69.06,102.18 58.28,112.97 58.28,118.75 55.8,121.22 55.65,121.22 55.57,121.14 U1700.1
PCIE1_RXP: length 40.7
  TOP w0.117: v1(32.01,99.41) 31.8,99.19 31.37,99.19 R8107.2 ; v1(52.57,118.71) 52.79,118.93 52.79,119.24 53.11,119.56 53.49,119.56 53.61,119.68 53.61,119.98 53.51,120.09 U1700.15
  BOTTOM w0.117: v1(32.01,99.41) 31.8,99.19 31.48,99.19 31.26,99.41 31.26,99.56 31.05,99.77 30.9,99.77 30.68,99.99 29.76,100.91 arc(29.57,101.19) 29.5,101.52 29.5,102.81 arc(29.56,103.11) 29.73,103.36 30.49,104.12 arc(30.85,104.36) 31.27,104.44 31.79,104.44 31.89,104.33 32.2,104.33 32.3,104.44 32.67,104.44 32.78,104.33 33.09,104.33 33.19,104.44 33.69,104.44 33.8,104.33 34.1,104.33 34.21,104.44 34.58,104.44 34.69,104.33 34.99,104.33 35.1,104.44 35.4,104.44 35.51,104.33 35.81,104.33 35.92,104.44 37.38,104.44 arc(38.23,104.61) 38.95,105.09 48.23,114.37 48.38,114.37 48.6,114.59 48.6,114.74 48.81,114.95 48.96,114.95 49.18,115.17 49.18,115.32 49.39,115.54 49.54,115.54 49.76,115.75 49.76,115.9 49.98,116.12 50.13,116.12 50.34,116.33 50.34,116.49 50.56,116.7 50.71,116.7 50.92,116.92 50.92,117.07 51.25,117.39 arc(51.49,117.75) 51.57,118.17 51.57,118.55 arc(51.6,118.71) 51.7,118.85 51.96,119.11 arc(52.09,119.2) 52.24,119.23 52.66,119.23 52.77,119.11 52.77,118.92 v1(52.57,118.71)
PCIE1_RXP/USB3_HOST1_SSRXP: length 49.8
  TOP w0.102: U1000.M28 82.32,89.79 82.32,90.36
  TOP w0.117: 82.32,90.36 82.01,90.67 82.01,92.22 81.75,92.48 81.75,95.84 81.16,96.43 81.16,97.95 80.73,98.38 80.73,101.09 79.42,102.4 69.16,102.4 58.5,113.06 58.5,118.84 55.89,121.45 55.66,121.45 55.57,121.54 U1700.2
